# Altium PCB R3D904.PcbDoc
Units mil, origin at the board's own origin, x right, y up, seen from the top; angles counter-clockwise.
Board outline 5905.51 x 3937.01 mil, 2 copper layers (Top Layer, Bottom Layer); 111 components, 81 nets, 468 pads, 119 vias.
Unrouted connection lines stored in the file: 63.
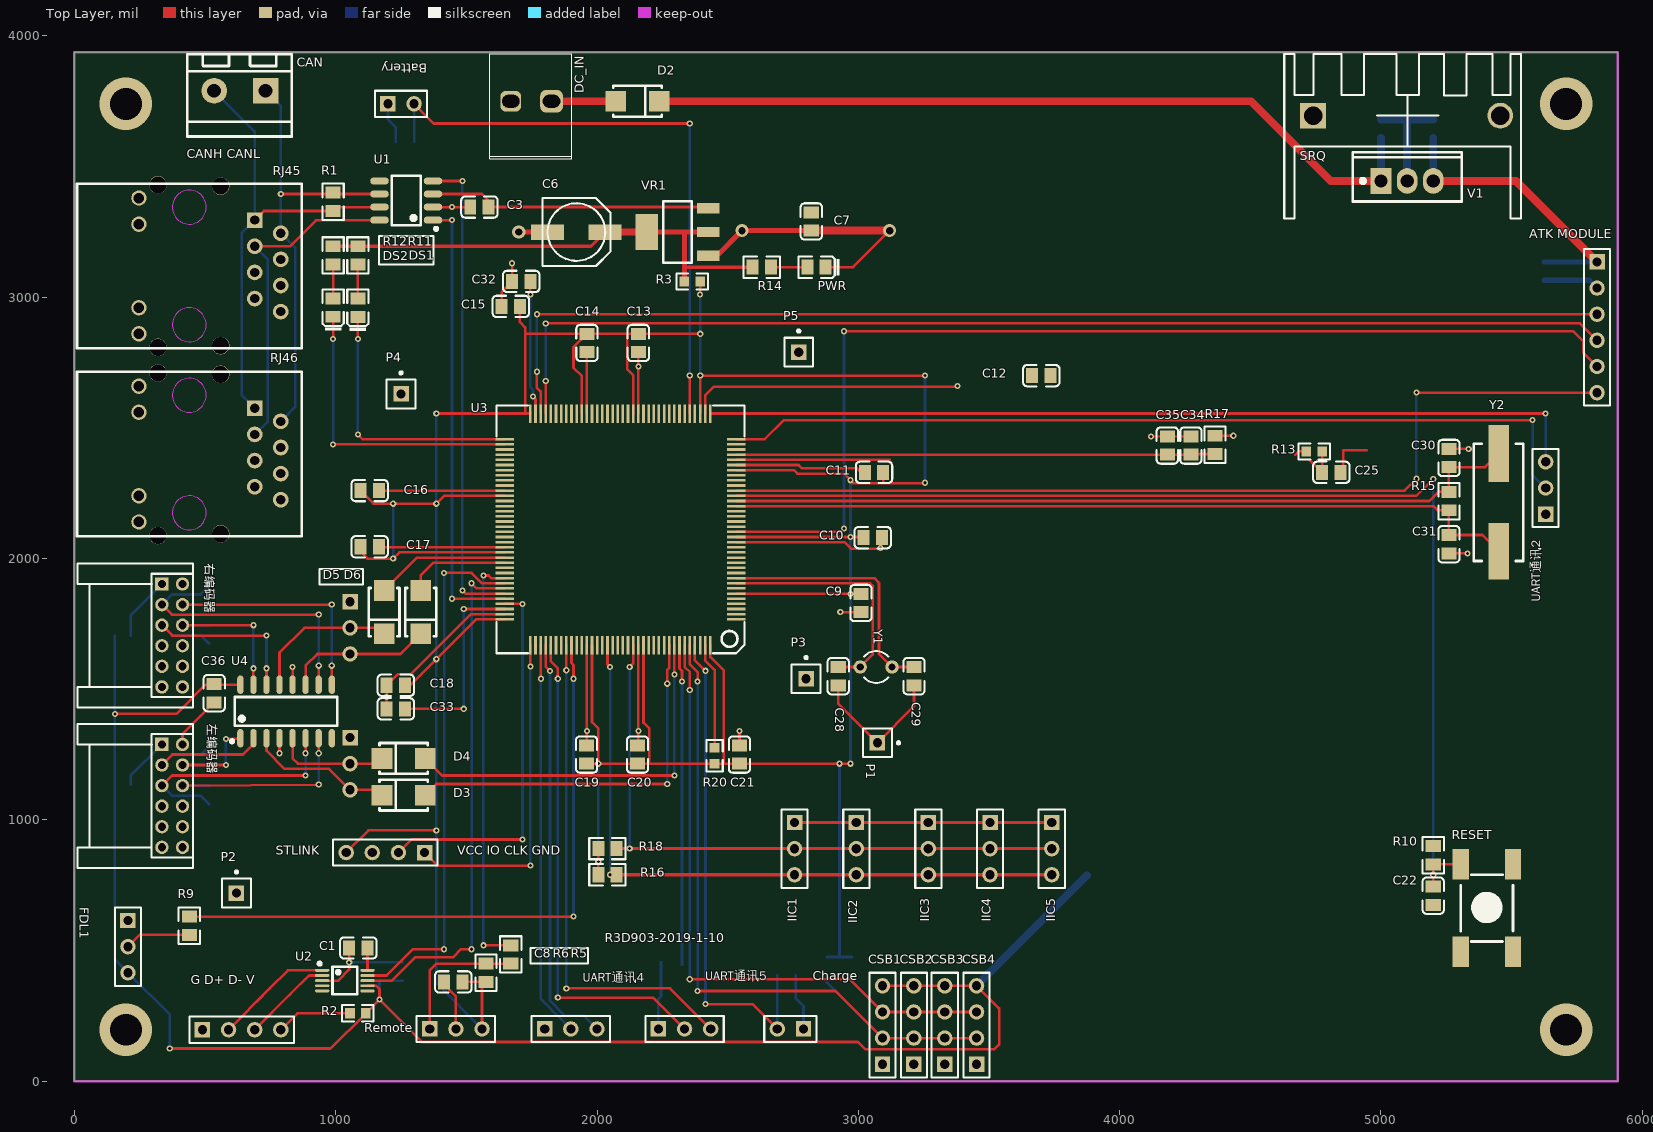
[diagram p0: Top Layer view]
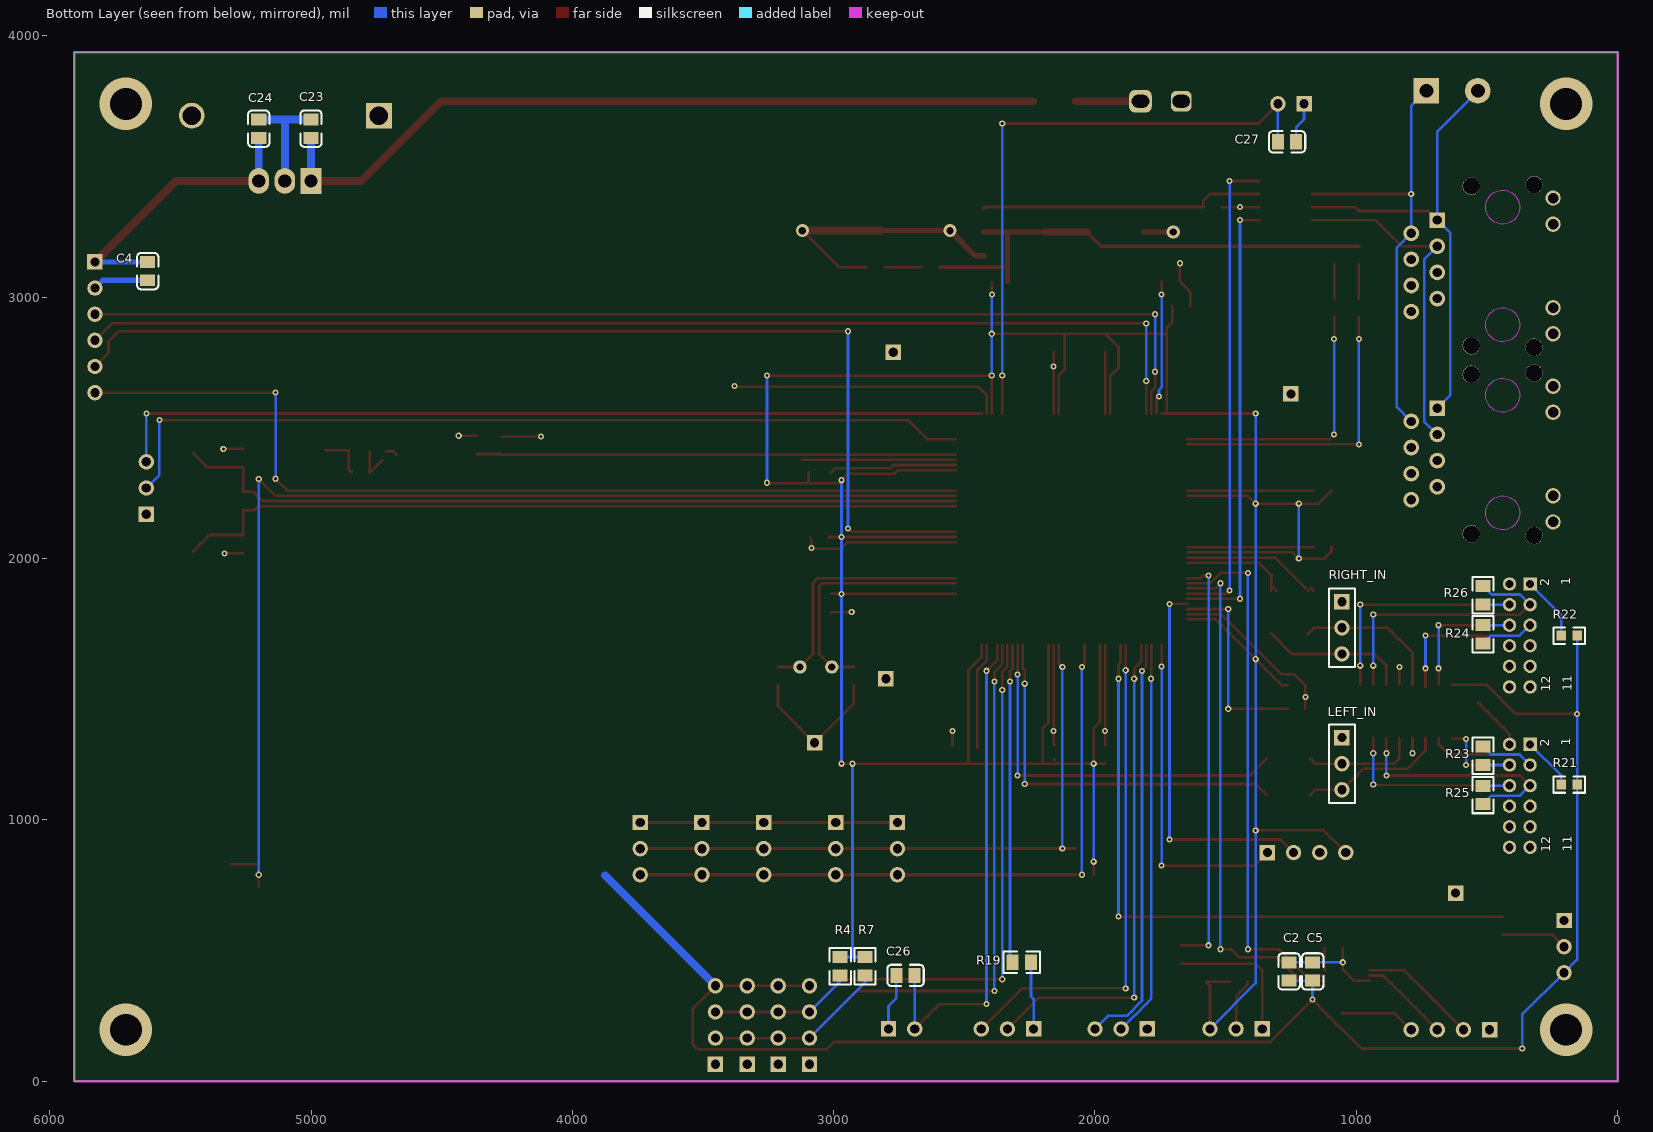
[diagram p1: Bottom Layer view, seen from below]
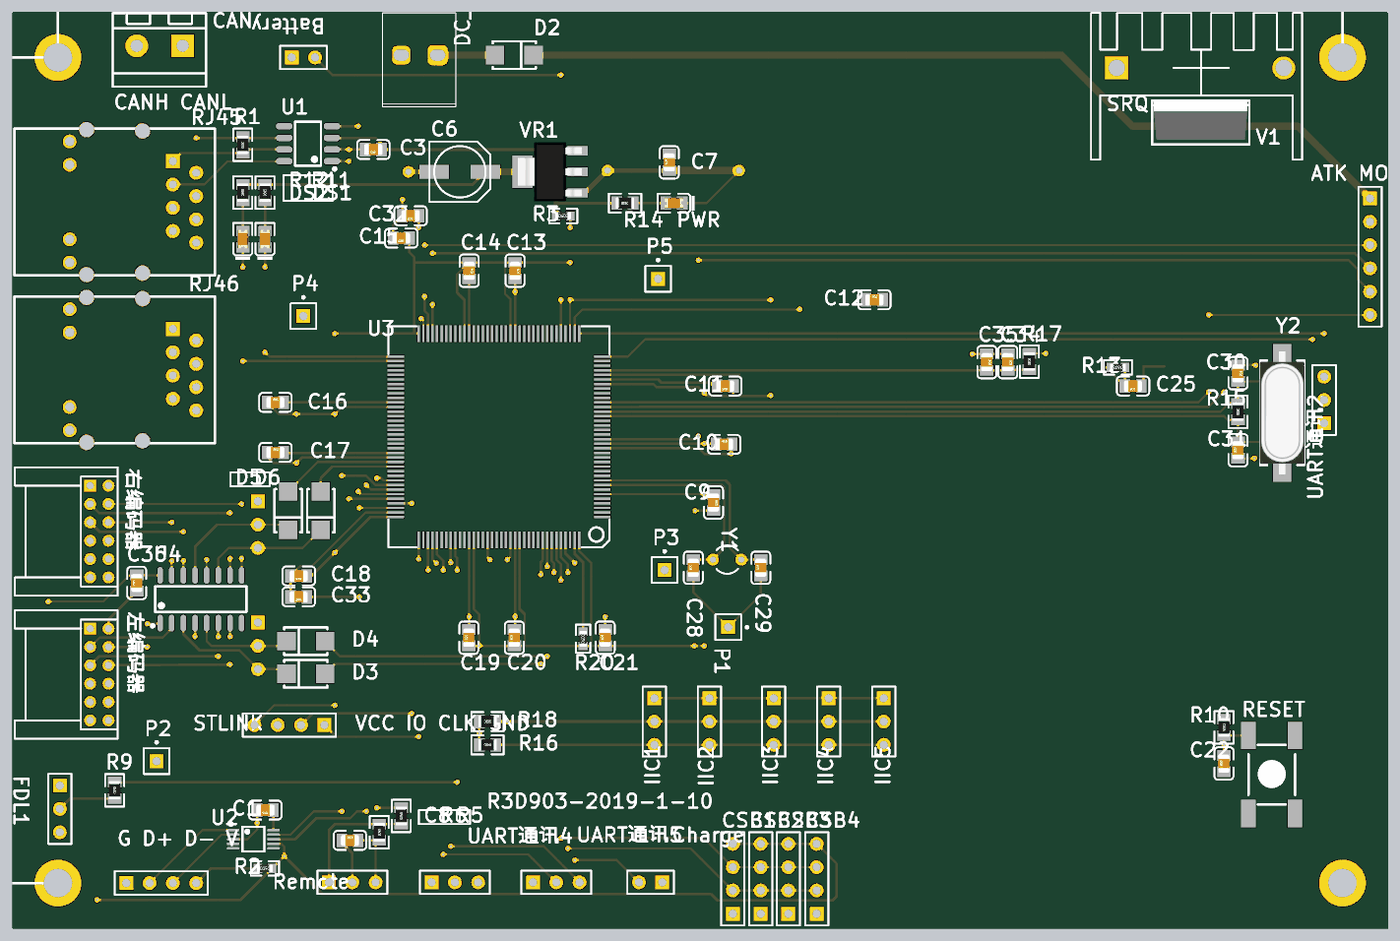
[diagram p2: 3D render of the assembled board from above, using the file's embedded part models]
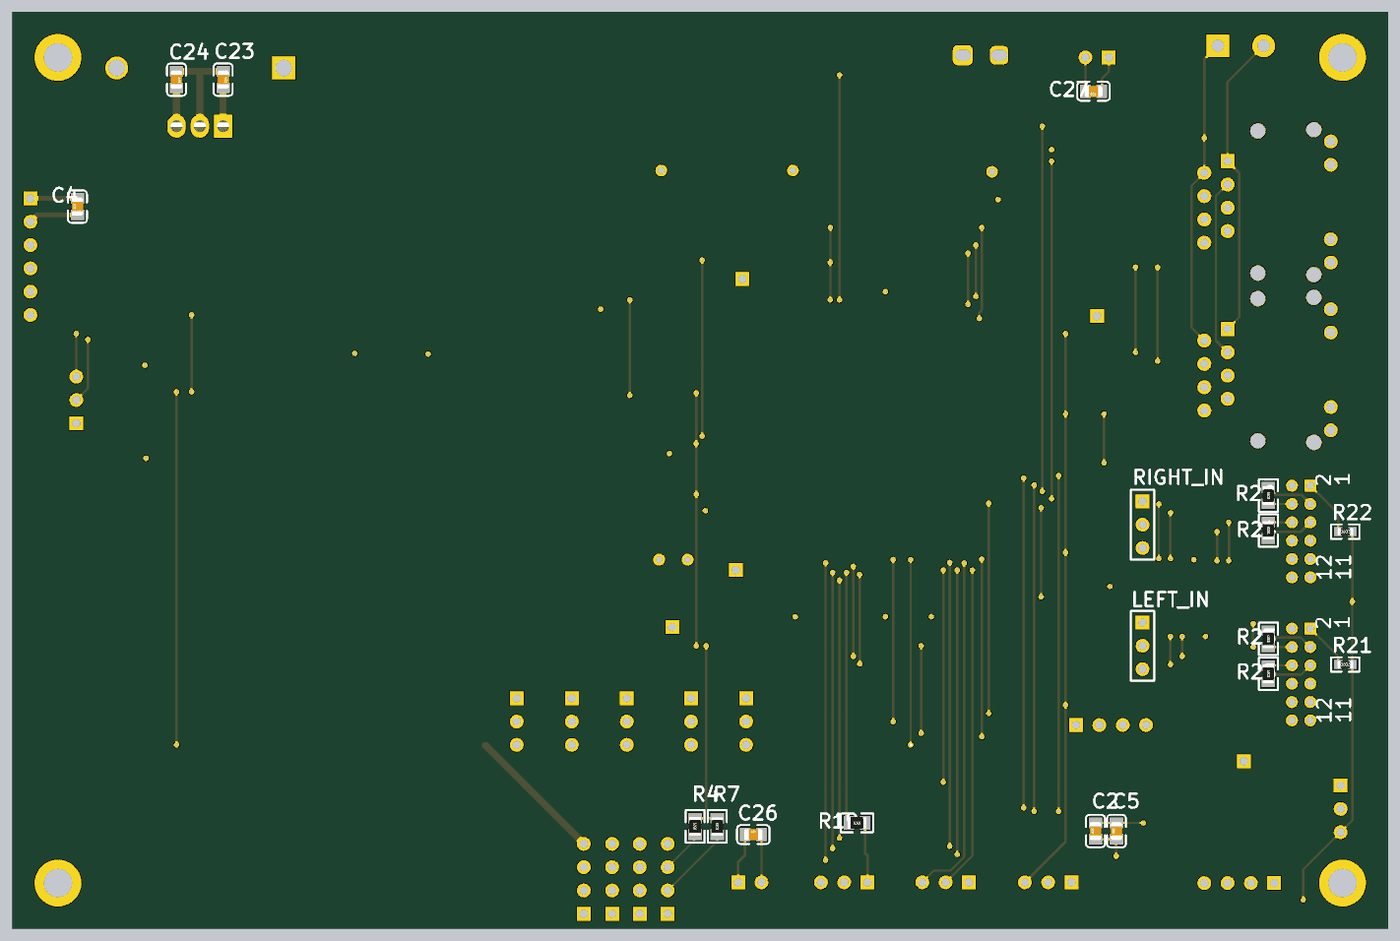
[diagram p3: 3D render of the assembled board from below, using the file's embedded part models]

## Layer stack, top to bottom
Top Solder: solder mask 0.4, Solder Resist, Dk 3.5
Top Layer: signal copper 1.4
Dielectric 1: dielectric 12.6, FR-4, Dk 4.8
Bottom Layer: signal copper 1.4
Bottom Solder: solder mask 0.4, Solder Resist, Dk 3.5

## Board outline
0,0 5905.51,0 5905.51,3937.01 0,3937.01

## Design rules (kind name [scope] priority, off if disabled: settings)
Clearance [All] p1: gap=8 ignorepadtopadclearanceinfootprint=FALSE
PolygonConnect [All] p1: connectstyle=Relief reliefconductorwidth=10 reliefentries=4 polygonreliefangle="90 Angle" airgapwidth=10
RoutingVias [All] p1: holewidth=28 width=50 viastyle="Through Hole" minholewidth=28 minwidth=50 maxholewidth=28 maxwidth=50
SolderMaskExpansion [All] p1: expansion=4
Width [All] p1: maxlimit=30 minlimit=8 preferedwidth=10
30 further rules are at their usual default settings.

## Components (designator, comment, footprint, x,y, rotation, side; value= is the part's Value field where it differs from the comment)
"ATK MODULE" "Header 6" HDR1X6 5826.77,3135 r270 top locked
Battery "Header 2" HDR1X2 1200,3740.16 r0 top
C1 "100nF(104) 10% 50V" LC-0805_C 1086.57,509.96 r180 top
C2 "100nF(104) 10% 50V" LC-0805_C 1256.91,420.02 r90 bottom
C3 "100nF(104) 10% 50V" LC-0805_C 1550,3345 r180 top
C4 "100nF(104) 10% 50V" LC-0805_C 5625,3100 r90 bottom locked
C5 "10uF (106) 10% 25V" LC-0805_C 1166.91,420.02 r90 bottom
C6 "22uF" CC6.56.5 1921.26,3249.45 r180 top
C7 "10uF (106) 10% 25V" LC-0805_C 2820,3290 r90 top
C8 "100nF(104) 10% 50V" LC-0805_C 1450.04,380 r0 top
C9 "100nF(104) 10% 50V" LC-0805_C 3010,1830 r270 top
C10 "100nF(104) 10% 50V" LC-0805_C 3055,2080 r0 top
C11 "100nF(104) 10% 50V" LC-0805_C 3060,2330 r180 top
C12 "100nF(104) 10% 50V" LC-0805_C 3700,2700 r0 top
C13 "100nF(104) 10% 50V" LC-0805_C 2158.11,2825 r270 top
C14 "100nF(104) 10% 50V" LC-0805_C 1961.26,2825.04 r270 top
C15 "100nF(104) 10% 50V" LC-0805_C 1669.96,2965 r180 top
C16 "100nF(104) 10% 50V" LC-0805_C 1129.96,2260 r0 top
C17 "100nF(104) 10% 50V" LC-0805_C 1129.96,2045 r0 top
C18 "100nF(104) 10% 50V" LC-0805_C 1230.04,1515 r180 top
C19 "100nF(104) 10% 50V" LC-0805_C 1960,1250 r90 top
C20 "100nF(104) 10% 50V" LC-0805_C 2155,1250 r90 top
C21 "100nF(104) 10% 50V" LC-0805_C 2545,1250 r90 top
C22 "100nF(104) 10% 50V" LC-0805_C 5200,710 r90 top
C23 "330nF (334) 10% 50V" LC-0805_C 5000,3645 r270 bottom
C24 "100nF(104) 10% 50V" LC-0805_C 5200,3645 r270 bottom
C25 "2.2uF (225) 20% 50V" LC-0805_C 4810,2330 r180 top
C26 "1uF (105) 10% 50V" LC-0805_C 2724.96,405 r180 bottom
C27 "1uF (105) 10% 50V" LC-0805_C 1265,3595 r0 bottom
C28 "1.0pF (010) 0.25pF 50V" LC-0805_C 2923,1550 r90 top
C29 "1.0pF (010) 0.25pF 50V" LC-0805_C 3213,1550 r90 top
C30 "22pF (220) 5% 50V" LC-0805_C 5260,2384.96 r270 top
C31 "22pF (220) 5% 50V" LC-0805_C 5260,2054.92 r90 top
C32 "2.2uF (225) 20% 50V" LC-0805_C 1709.96,3060.63 r180 top
C33 "2.2uF (225) 20% 50V" LC-0805_C 1229.96,1425 r180 top
C34 "10uF (106) 10% 25V" LC-0805_C 4272.48,2432.56 r270 top
C35 "100nF(104) 10% 50V" LC-0805_C 4182.48,2432.6 r270 top
C36 "1uF (105) 10% 50V" LC-0805_C 535,1485 r90 top
CAN "CAN" HEAD2L-0.8 731.85,3790 r180 top locked
Charge "Header 2" HDR1X2 2790,200 r180 top
CSB1 "Header 4" HDR1X4 3092.4,65 r90 top
CSB2 "Header 4" HDR1X4 3212.4,65 r90 top
CSB3 "Header 4" HDR1X4 3330.74,65 r90 top
CSB4 "Header 4" HDR1X4 3452.4,65 r90 top
D2 "SS210" LC-SMA(DO-214AC)_S1 2155,3750 r180 top locked
D3 "SS210" LC-SMA(DO-214AC)_S1 1260,1095 r0 top
D4 "SS210" LC-SMA(DO-214AC)_S1 1260,1235 r0 top
D5 "SS210" LC-SMA(DO-214AC)_S1 1185,1795 r90 top
D6 "SS210" LC-SMA(DO-214AC)_S1 1325,1795 r90 top
DC_IN "Header 2" "VH-2A - Circle Hole" 1825.91,3750 r180 top locked
DS1 "红灯 0805" LC-0805_LED_S1 1085,2960 r90 top
DS2 "翠绿 0805" LC-0805_LED_S1 990,2960.27 r90 top
FDL1 "Header 3" HDR1X3 205,615 r270 top
"G D+ D- V" "Header 4" HDR1X4 490,196.85 r0 top locked
IIC1 "Header 3" HDR1X3 2755.91,990 r270 top
IIC2 "Header 3" HDR1X3 2992.13,990 r270 top
IIC3 "Header 3" HDR1X3 3267.72,990 r270 top
IIC4 "Header 3" HDR1X3 3503.94,990 r270 top
IIC5 "Header 3" HDR1X3 3740.16,990 r270 top
LEFT_IN "Header 3" HDR1X3 1055,1315 r270 bottom
P1 "Plug" PIN1 3073,1295 r270 top
P2 "Plug" PIN1 620,720 r0 top
P3 "Plug" PIN1 2800,1540 r0 top
P4 "Plug" PIN1 1250.04,2630 r0 top
P5 "Plug" PIN1 2771.85,2789.96 r0 top
PWR "蓝灯 0805" LC-0805_LED_S1 2840,3115 r180 top
R1 "120Ω (1200) ±1%" LC-0805_R 990,3365 r270 top
R2 "1Ω (1R00) ±1%" LC-0603_R 1085,260 r180 top
R3 "0Ω (0R0) ±1%" LC-0603_R 2364.68,3060 r0 top
R4 "4.7KΩ (4701) ±1%" LC-0805_R 2975,440 r90 bottom
R5 "1KΩ (1001) ±1%" LC-0805_R 1670,485 r270 top
R6 "4.7KΩ (4701) ±1%" LC-0805_R 1575,415.04 r270 top
R7 "4.7KΩ (4701) ±1%" LC-0805_R 2880,440 r270 bottom
R9 "4.7KΩ (4701) ±1%" LC-0805_R 440,594.96 r90 top
R10 "10KΩ (1002) ±1%" LC-0805_R 5200,865 r270 top
R11 "510KΩ (5103) ±1%" LC-0805_R 1085,3159.96 r90 top
R12 "510KΩ (5103) ±1%" LC-0805_R 990,3159.96 r90 top
R13 "0Ω (0R0) ±1%" LC-0603_R 4745,2410 r180 top
R14 "510KΩ (5103) ±1%" LC-0805_R 2630,3115 r180 top
R15 "1MΩ (1004) ±1%" LC-0805_R 5260,2219.96 r270 top
R16 "4.7KΩ (4701) ±1%" LC-0805_R 2040,790 r180 top
R17 "10Ω (10R0) ±1%" LC-0805_R 4365,2435 r90 top
R18 "4.7KΩ (4701) ±1%" LC-0805_R 2040,890 r0 top
R19 "10KΩ (1002) ±1%" LC-0805_R 2279.96,455 r0 bottom
R20 "0Ω (0R0) ±1%" LC-0603_R 2450,1245.32 r90 top
R21 "0Ω (0R0) ±1%" LC-0603_R 185,1135 r180 bottom
R22 "0Ω (0R0) ±1%" LC-0603_R 185,1705 r180 bottom
R23 "120Ω (1200) ±1%" LC-0805_R 515,1244.96 r270 bottom
R24 "120Ω (1200) ±1%" LC-0805_R 515,1710.49 r270 bottom
R25 "120Ω (1200) ±1%" LC-0805_R 515,1095 r270 bottom
R26 "120Ω (1200) ±1%" LC-0805_R 515,1860 r270 bottom
Remote "Header 3" HDR1X3 1360,200 r0 top
RESET "KEY_M" KEY_M 5305,495.35 r90 top
RIGHT_IN "Header 3" HDR1X3 1055,1835 r270 bottom
RJ45 "RJ45" RJ45 440,2894.69 r90 top locked
RJ46 "RJ45" RJ45 440,2174.69 r90 top locked
SRQ "SRQ" Hot_Clear 5456.54,3695 r180 top
STLINK "Header 4" HDR1X4 1340,875 r180 top
U1 "CAN/TJA1050T/CM" LC-SOIC-8_150mil 1270,3370 r90 top
U2 "CH340E" LC-MSOP-10 1035,385 r270 top locked
U3 "STM32F407ZET6" LQFP144 2531.77,1767.62 r180 top locked
U4 "AM26LS32ACDRG4" LC-SOIC-16_150mil 810,1415 r0 top
UART通讯2 "Header 3" HDR1X3 5630,2170 r90 top locked (schematic designator UARTͨѶ2)
UART通讯4 "Header 3" HDR1X3 1800,200 r0 top (schematic designator UARTͨѶ4)
UART通讯5 "Header 3" HDR1X3 2235,200 r0 top (schematic designator UARTͨѶ5)
V1 "LM2940" LC-TO-220(TO-220-3) 5100,3445 r0 top locked
VR1 "AMS1117-3.3" LC-SOT-223 2307.83,3249.45 r0 top
Y1 "32.768K" R38 3068,1585 r90 top
Y2 "8MHz" LC-HC-49SMD 5450,2215 r270 top
右编码器 "HEADER_2X6" PHB_2x6_2.0 335,1902.48 r270 top locked
左编码器 "HEADER_2X6" PHB_2x6_2.0 335,1288.74 r270 top locked

## Footprints (in the part's own frame and the unit in brackets; to place one, negate y for a bottom-side part, rotate by r counter-clockwise, add the part's x,y. Pads: shape width x height; smd on the part's side, far side on the other; paste and mask are expansions set on the pad)
CC6.56.5 [mm]
  rect 3.2x1.5 smd: 1(-2.794,0) 2(2.8,0)
  silkscreen extent -3.3,-3.3 3.3,3.3
HDR1X2 [mm] "Connector; Header; 2 Position"
  rect 1.5x1.5 hole 0.9: 1(0,0)
  round 1.5 hole 0.9: 2(2.54,0)
  silkscreen extent -1.27,-1.27 3.81,1.27
HDR1X3 [mm] "Connector; Header; 3 Position"
  rect 1.5x1.5 hole 0.9: 1(0,0)
  round 1.5 hole 0.9: 2(2.54,0) 3(5.08,0)
  silkscreen extent -1.27,-1.27 6.35,1.27
HDR1X4 [mm] "Connector; Header; 4 Position"
  rect 1.5x1.5 hole 0.9: 1(0,0)
  round 1.5 hole 0.9: 2(2.54,0) 3(5.08,0) 4(7.62,0)
  silkscreen extent -1.27,-1.27 8.89,1.27
HDR1X6 [mm] "Connector; Header; 6 Position"
  rect 1.5x1.5 hole 0.9: 1(0,0)
  round 1.5 hole 0.9: 2(2.54,0) 3(5.08,0) 4(7.62,0) 5(10.16,0) 6(12.7,0)
  silkscreen extent -1.27,-1.27 13.97,1.27
HEAD2L-0.8 [mm]
  rect 2.5x2.5 hole 1.35: 1(0,0)
  round 2.5 hole 1.35: 2(5,0)
  silkscreen extent -2.54,-3.56 7.62,4.45
Hot_Clear [mm] "散热片"
  rect 2.55x2.5 hole 1.8: 1(18.2,0)
  round 2.5 hole 1.8: 2(0,0)
  silkscreen extent -2,-6 21,10, body extent -2.01,-5.99 21.01,10.01, height 25
KEY_M [mm]
  rect 3x1.575 smd: 1(0,0) 1(8.5,0) 2(0,-5.08) 2(8.5,-5.08)
  silkscreen extent 1,-5.08 7.48,0
LC-0603_R [mm]
  rect 0.93x0.98 smd: 1(-0.77,0) 2(0.77,0)
  silkscreen extent -1.54,-0.79 1.54,0.79, body extent -0.85,-0.4 0.85,0.4, height 0.56
LC-0805_C [mm]
  rect 1.16x1.47 smd: 1(-0.89,0) 2(0.89,0)
  silkscreen extent -1.77,-1.04 1.77,1.04, body extent -1,-0.62 1,0.63, height 0.77
LC-0805_LED_S1 [mm]
  rect 1.16x1.47 smd: A(0.89,0) K(-0.89,0)
  silkscreen extent -2.25,-1.04 1.77,1.03, body extent -1.01,-0.62 1.01,0.62, height 1.1
LC-0805_R [mm]
  rect 1.16x1.47 smd: 1(-0.89,0) 2(0.89,0)
  silkscreen extent -1.77,-1.04 1.77,1.03, body extent -1,-0.62 1,0.63, height 0.49
LC-HC-49SMD [mm]
  rect 5.5x2 smd: 1(-4.75,0) 2(4.75,0)
  silkscreen extent -5.7,-2.4 5.7,2.4, body extent -6.7,-2.46 6.7,2.44, height 4
LC-MSOP-10 [mm]
  oval 0.28x1.4 smd mask+0.051: 1(-1,-2.2) 2(-0.5,-2.2) 3(0,-2.2) 4(0.5,-2.2) 5(1,-2.2) 6(1,2.2) 7(0.5,2.2) 8(0,2.2) 9(-0.5,2.2) 10(-1,2.2)
  silkscreen extent -1.8,-2.6 1.33,1.2
LC-SMA(DO-214AC)_S1 [mm]
  rect 2x2 smd: 1(2.1,0) 2(-2.1,0)
  silkscreen extent -2.35,-1.5 2.35,1.5
LC-SOIC-8_150mil [mm]
  oval 0.7x1.8 smd: 1(-1.905,-2.6) 2(-0.635,-2.6) 3(0.635,-2.6) 4(1.905,-2.6) 5(1.905,2.6) 6(0.635,2.6) 7(-0.635,2.6) 8(-1.905,2.6)
  silkscreen extent -2.9,-3.05 2.4,1.4
LC-SOIC-16_150mil [mm]
  oval 0.6x1.8 smd: 1(-4.445,-2.6) 2(-3.175,-2.6) 3(-1.905,-2.6) 4(-0.635,-2.6) 5(0.635,-2.6) 6(1.905,-2.6) 7(3.175,-2.6) 8(4.445,-2.6) 9(4.445,2.6) 10(3.175,2.6) 11(1.905,2.6) 12(0.635,2.6) 13(-0.635,2.6) 14(-1.905,2.6) 15(-3.175,2.6) 16(-4.445,2.6)
  silkscreen extent -5.4,-3.05 4.97,1.4
LC-SOT-223 [mm]
  rect 2.2x1 smd: 1(3,-2.3) 2(3,0) 3(3,2.3)
  rect 2.2x3.5 smd: 2(-3,0)
  silkscreen extent -1.4,-3 1.4,3, body extent -3.49,-3.24 3.49,3.24, height 1.64
LC-TO-220(TO-220-3) [mm]
  rect 2x2.5 hole 1.3: 1(-2.54,0)
  oval 2x2.5 hole 1.3: 2(0,0) 3(2.54,0)
  silkscreen extent -5.3,-2 5.3,2.8, body extent -5.08,-1.45 5.08,2.9, height 19.6
LQFP144 [mil]
  rect 70.87x10 smd: 1(-0.35,0.02) 2(-0.35,-19.66) 3(-0.35,-39.35) 4(-0.35,-59.03) 5(-0.35,-78.72) 6(-0.35,-98.4) 7(-0.35,-118.09) 8(-0.35,-137.77) 9(-0.35,-157.46) 10(-0.35,-177.14) 11(-0.35,-196.83) 12(-0.35,-216.51) 13(-0.35,-236.2) 14(-0.35,-255.88) 15(-0.35,-275.57) 16(-0.35,-295.25) 17(-0.35,-314.94) 18(-0.35,-334.62) 19(-0.35,-354.31) 20(-0.35,-373.99) 21(-0.35,-393.68) 22(-0.35,-413.36) 23(-0.35,-433.05) 24(-0.35,-452.73) 25(-0.35,-472.42) 26(-0.35,-492.1) 27(-0.35,-511.79) 28(-0.35,-531.47) 29(-0.35,-551.16) 30(-0.35,-570.84) 31(-0.35,-590.53) 32(-0.35,-610.21) 33(-0.35,-629.9) 34(-0.35,-649.58) 35(-0.35,-669.27) 36(-0.35,-688.95) 73(885.47,-688.95) 74(885.47,-669.27) 75(885.47,-649.58) 76(885.47,-629.9) 77(885.47,-610.21) 78(885.47,-590.53) 79(885.47,-570.84) 80(885.47,-551.16) 81(885.47,-531.47) 82(885.47,-511.79) 83(885.47,-492.1) 84(885.47,-472.42) 85(885.47,-452.73) 86(885.47,-433.05) 87(885.47,-413.36) 88(885.47,-393.68) 89(885.47,-373.99) 90(885.47,-354.31) 91(885.47,-334.62) 92(885.47,-314.94) 93(885.47,-295.25) 94(885.47,-275.57) 95(885.47,-255.88) 96(885.47,-236.2) 97(885.47,-216.51) 98(885.47,-196.83) 99(885.47,-177.14) 100(885.47,-157.46) 101(885.47,-137.77) 102(885.47,-118.09) 103(885.47,-98.4) 104(885.47,-78.72) 105(885.47,-59.03) 106(885.47,-39.35) 107(885.47,-19.66) 108(885.47,0.02)